# Altium PCB PCB_SingleLedRow.PcbDoc (part 1 of 2) (continued)
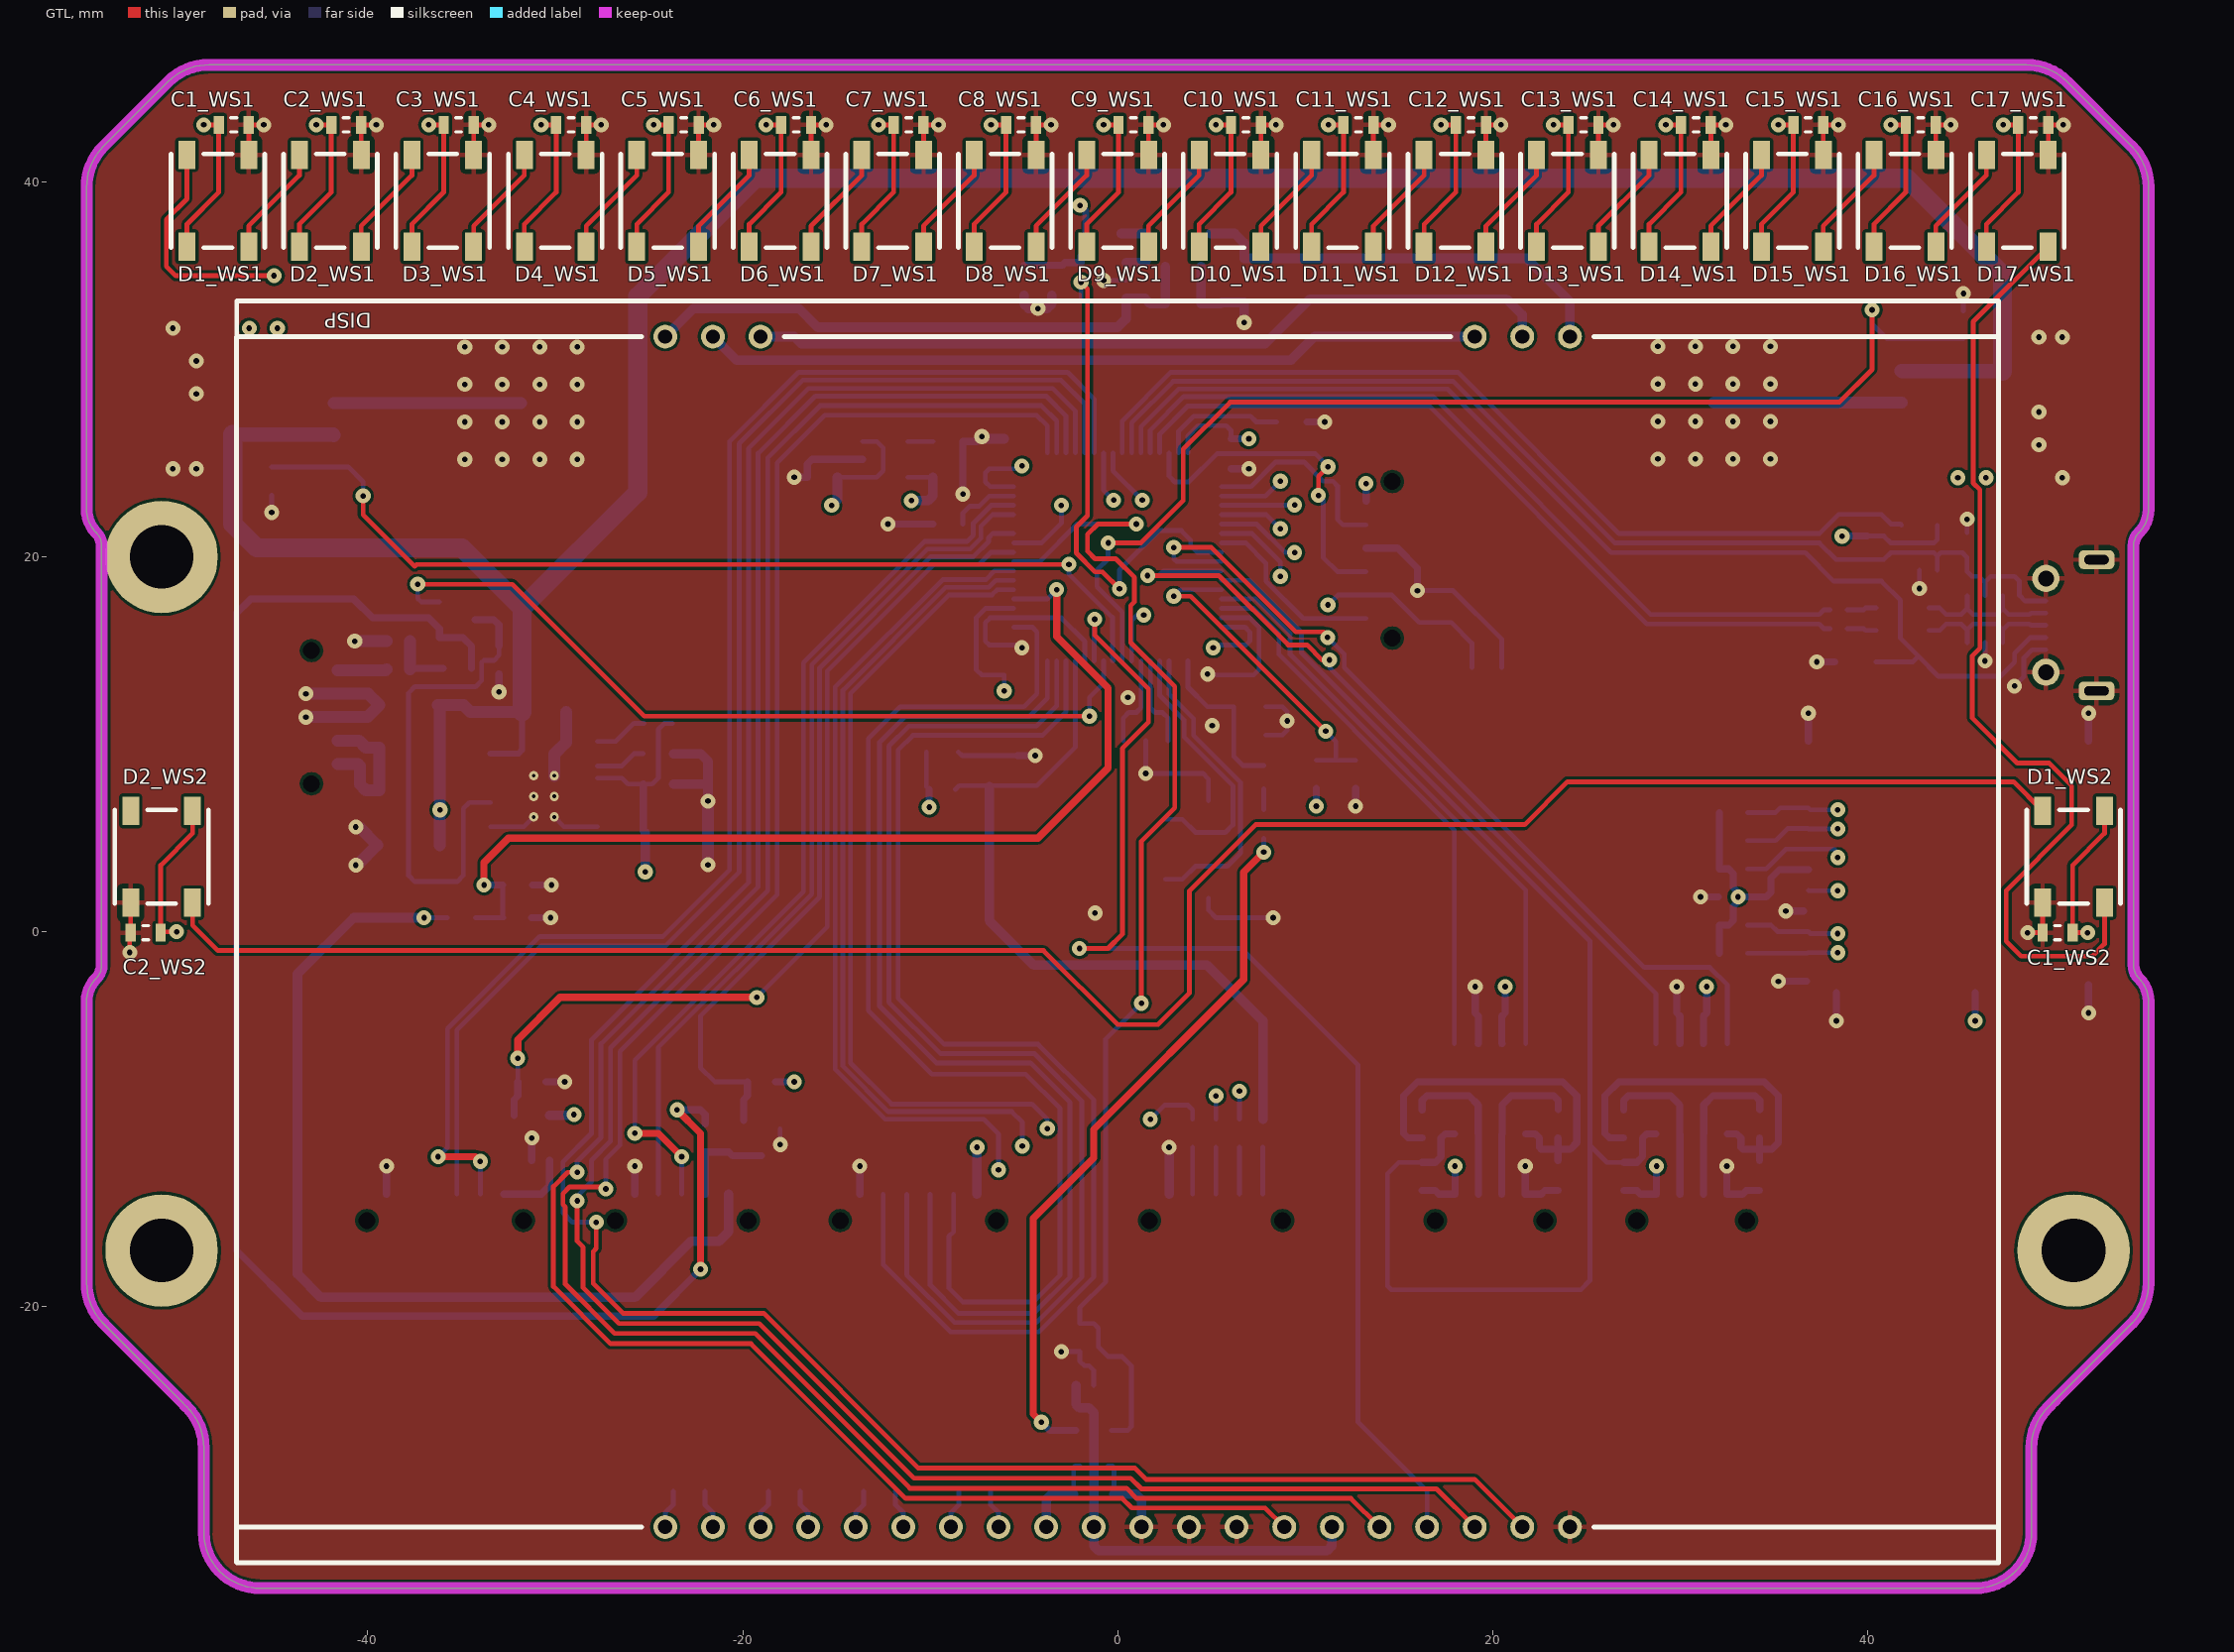
[diagram p0: GTL view]
## Board outline (continued)

## Design rules (kind name [scope] priority, off if disabled: settings)
Clearance [All] p1: gap=0.152 ignorepadtopadclearanceinfootprint=FALSE
DiffPairsRouting [All] p1: maxlimit=0.254 minlimit=0.254 mostfreqgap=0.254 toplayer_minwidth=0.254 toplayer_maxwidth=0.381 toplayer_prefwidth=0.381 midlayer1_minwidth=0.254 midlayer1_maxwidth=0.381 midlayer1_prefwidth=0.381 bottomlayer_minwidth=0.254 bottomlayer_maxwidth=0.381 bottomlayer_prefwidth=0.381 maxuncoupledlength=12.7
HoleSize [All] p1: absolutevalues=TRUE maxlimit=6.3 minlimit=0.3 maxpercent=80.000 minpercent=20.000
PlaneClearance [All] p1: clearance=0.508
PlaneConnect [All] p1: planeconnectstyle=Relief reliefexpansion=0.508 reliefentries=4 reliefconductorwidth=0.254 reliefairgap=0.254
PolygonConnect PolygonConnect_VIA [IsPolygon vs IsVia] p1: connectstyle=Direct reliefconductorwidth=0.254 reliefentries=4 polygonreliefangle="90 Angle" airgapwidth=0.254
PolygonConnect [All] p2: connectstyle=Relief reliefconductorwidth=0.254 reliefentries=4 polygonreliefangle="90 Angle" airgapwidth=0.254
RoutingVias [All] p1: holewidth=0.3 width=0.8 viastyle="Through Hole" minholewidth=0.3 minwidth=0.6 maxholewidth=6.3 maxwidth=6.6
SolderMaskExpansion [All] p1: expansion=0.102
Width [All] p1: maxlimit=1.27 minlimit=0.152 preferedwidth=0.254 minimp=50.000000 maximp=50.000000 favimp=50.000000
26 further rules are at their usual default settings.

## Classes and differential pairs
component class U_Microcontroller: Analog C23 C24 C25 C26 C27 C28 C29 C30 C31 C32 C33 C34 C35 C36 C37 C38 C50 CMC1 D17 D18 D19 ISP L2 Q1 R4 R5 R6 R7 R8 R9 R10 R11 R12 R13 R14 R30 R31 R32 R33 R34 R35 U2 USB X1 X2 µSD
component class U_Display: C16 C17 C18 C19 C20 C21 C22 C39 D16 DISP L1 Q4 R1 R2 R3 R29 U1
component class WS2: C1_WS2 C2_WS2 D1_WS2 D2_WS2
component class WS1: C1_WS1 C2_WS1 C3_WS1 C4_WS1 C5_WS1 C6_WS1 C7_WS1 C8_WS1 C9_WS1 C10_WS1 C11_WS1 C12_WS1 C13_WS1 C14_WS1 C15_WS1 C16_WS1 C17_WS1 D1_WS1 D2_WS1 D3_WS1 D4_WS1 D5_WS1 D6_WS1 D7_WS1 D8_WS1 D9_WS1 D10_WS1 D11_WS1 D12_WS1 D13_WS1 D14_WS1 D15_WS1 D16_WS1 D17_WS1
channel class WS2812B: WS1 WS2 WS3
component class U_CAN: C46 C47 C48 C49 CAN1 CAN2 IC1 IC2 R17 R18 R19 R20 R21 R22
component class U_GPS: GPS Q2 R23
component class U_Power: C40 C41 C42 C43 C44 C45 C51 C52 C53 C54 C55 C56 C57 C58 D20 D21 D22 D23 D24 D25 P_IN R15 R16 R26 R27 R28 U3 U4 U5 U6
component class U_Telemetry: RF-868P_LR
component class U_RDAC: Q3 R24 R25 RaceDAC
differential pair USB_D1: +USB_D1_P -USB_D1_N
differential pair USB_D2: +USB_D2_P -USB_D2_N
differential pair USB_D: +USB_D_P -USB_D_N

## Components (designator, comment, footprint, x,y, rotation, side; value= is the part's Value field where it differs from the comment)
Analog "DF13-5P-1.25H(20)" DF13-5P-1.25H(20) 5.25,-14 r0 bottom
C1_WS1 "100nF" C0603H08_M -47.15,43.05 r180 top (schematic designator C1)
C1_WS2 "100nF" C0603H08_M 50.15,-0.05 r0 top (schematic designator C1)
C2_WS1 "100nF" C0603H08_M -41.15,43.05 r180 top (schematic designator C2)
C2_WS2 "100nF" C0603H08_M -51.85,-0.05 r0 top (schematic designator C2)
C3_WS1 "100nF" C0603H08_M -35.15,43.05 r180 top (schematic designator C3)
C4_WS1 "100nF" C0603H08_M -29.15,43.05 r180 top (schematic designator C4)
C5_WS1 "100nF" C0603H08_M -23.15,43.05 r180 top (schematic designator C5)
C6_WS1 "100nF" C0603H08_M -17.15,43.05 r180 top (schematic designator C6)
C7_WS1 "100nF" C0603H08_M -11.15,43.05 r180 top (schematic designator C7)
C8_WS1 "100nF" C0603H08_M -5.15,43.05 r180 top (schematic designator C8)
C9_WS1 "100nF" C0603H08_M 0.85,43.05 r180 top (schematic designator C9)
C10_WS1 "100nF" C0603H08_M 6.85,43.05 r180 top (schematic designator C10)
C11_WS1 "100nF" C0603H08_M 12.85,43.05 r180 top (schematic designator C11)
C12_WS1 "100nF" C0603H08_M 18.85,43.05 r180 top (schematic designator C12)
C13_WS1 "100nF" C0603H08_M 24.85,43.05 r180 top (schematic designator C13)
C14_WS1 "100nF" C0603H08_M 30.85,43.05 r180 top (schematic designator C14)
C15_WS1 "100nF" C0603H08_M 36.85,43.05 r180 top (schematic designator C15)
C16 "220nF" C0805H085_L 6.75,34.75 r90 bottom
C16_WS1 "100nF" C0603H08_M 42.85,43.05 r180 top (schematic designator C16)
C17 "100nF" C0603H08_M -3.5,34.75 r270 bottom
C17_WS1 "100nF" C0603H08_M 48.85,43.05 r180 top (schematic designator C17)
C18 "1µF" C0603H08_M -5,34.75 r270 bottom
C19 "4.7µF" C0603H08_L -22.86,-29.845 r180 bottom
C20 "4.7µF" C0603H08_L -17.78,-29.845 r180 bottom
C21 "4.7µF" C0603H08_L -12.7,-29.845 r180 bottom
C22 "4.7µF" C0603H08_L -7.62,-29.845 r180 bottom
C23 "6pF" C0603H08_L 4.85,2.65 r90 bottom
C24 "6pF" C0603H08_L 4.85,6.15 r90 bottom
C25 "2.2µF" C0603H08_M 9.3,27.2 r0 bottom
C26 "2.2µF" C0603H08_M -9.05,21.75 r180 bottom
C27 "100nF" C0603H08_M 19.7,14.1 r0 bottom
C28 "4.7µF" C0603H08_L -9.35,9.6 r0 bottom
C29 "4.7µF" C0603H08_L -6.85,8.6 r90 bottom
C30 "4.7µF" C0603H08_L 7.05,10.5 r0 bottom
C31 "100nF" C0603H08_M -5.35,8.6 r90 bottom
C32 "4.7µF" C0603H08_L 7.05,12 r0 bottom
C33 "100nF" C0603H08_M -6.05,14.5 r90 bottom
C34 "100nF" C0603H08_M 6.05,14.5 r270 bottom
C35 "100nF" C0603H08_M -6.05,25.5 r90 bottom
C36 "100nF" C0603H08_M 6.05,25.5 r270 bottom
C37 "2.2µF" C0603H08_M 45.319,20.485 r270 bottom
C38 "100nF" C0603H08_M 32.85,1.86 r180 bottom
C39 "TO BE DEFINED!" C0805H06_M -1.27,-30 r0 bottom
C40 "10µF 16V Tantal" C1206H08_M 48.6,29.9 r0 bottom
C41 "10µF 16V Tantal" C1206H08_M -48.6,26.525 r180 bottom
C42 "100µF" C1210_TANTAL_M 48.6,27 r0 bottom
C43 "100µF" C1210_TANTAL_M -48.6,29.425 r180 bottom
C44 "10µF" C0603H08_L 48.6,24.2 r0 bottom
C45 "10µF" C0603H08_L -48.6,32.225 r180 bottom
C46 "100nF" C0603H08_M 19.875,-3.875 r0 bottom
C47 "100nF" C0603H08_M 30.625,-3.875 r0 bottom
C48 "100nF" C0603H08_M 23.5,-13 r270 bottom
C49 "100nF" C0603H08_M 34.25,-13 r270 bottom
C50 "100nF" C0603H08_M -32,2.5 r0 bottom
C51 "47µF" C1210_TANTAL_M -37.825,4.625 r180 bottom
C52 "220nF" C0805H085_L -30.6,11.725 r180 bottom
C53 "100nF" C0603H08_M -24.5,9.5 r180 bottom
C54 "22µF" C1210H125_M -23.525,5.275 r0 bottom
C55 "100nF" C0603H08_M -24.5,7.875 r180 bottom
C56 "2.2µF" C0603H08_M -9.05,24.25 r180 bottom
C57 "10nF" C0603H08_M -9.05,26.15 r0 bottom
C58 "2.2µF" C0603H08_M -15.75,24.25 r0 bottom
CAN1 "DF13-4P-1.25H(20)" DF13-4P-1.25H(20) 19.25,-14 r0 bottom
CAN2 "DF13-4P-1.25H(20)" DF13-4P-1.25H(20) 30,-14 r0 bottom
CMC1 "WURTH ELEKTRONIK - 744232090 - SIGNALFILTER, SMD, 90OHM, 370MA" "Murata 1206 CMC" 43.275,17.275 r180 bottom
D1_WS1 "WS2812B" WS2812B -48,39 r90 top (schematic designator D1)
D1_WS2 "WS2812B" WS2812B 51,4 r270 top (schematic designator D1)
D2_WS1 "WS2812B" WS2812B -42,39 r90 top (schematic designator D2)
D2_WS2 "WS2812B" WS2812B -51,4 r270 top (schematic designator D2)
D3_WS1 "WS2812B" WS2812B -36,39 r90 top (schematic designator D3)
D4_WS1 "WS2812B" WS2812B -30,39 r90 top (schematic designator D4)
D5_WS1 "WS2812B" WS2812B -24,39 r90 top (schematic designator D5)
D6_WS1 "WS2812B" WS2812B -18,39 r90 top (schematic designator D6)
D7_WS1 "WS2812B" WS2812B -12,39 r90 top (schematic designator D7)
D8_WS1 "WS2812B" WS2812B -6,39 r90 top (schematic designator D8)
D9_WS1 "WS2812B" WS2812B 0,39 r90 top (schematic designator D9)
D10_WS1 "WS2812B" WS2812B 6,39 r90 top (schematic designator D10)
D11_WS1 "WS2812B" WS2812B 12,39 r90 top (schematic designator D11)
D12_WS1 "WS2812B" WS2812B 18,39 r90 top (schematic designator D12)
D13_WS1 "WS2812B" WS2812B 24,39 r90 top (schematic designator D13)
D14_WS1 "WS2812B" WS2812B 30,39 r90 top (schematic designator D14)
D15_WS1 "WS2812B" WS2812B 36,39 r90 top (schematic designator D15)
D16 "LS MBR0540" SOD123_H 3.25,37.25 r180 bottom
D16_WS1 "WS2812B" WS2812B 42,39 r90 top (schematic designator D16)
D17 "LS CD0603" "CD 0603" 7.8,8.25 r90 bottom
D17_WS1 "WS2812B" WS2812B 48,39 r90 top (schematic designator D17)
D18 "WURTH ELEKTRONIK - 824015 - DIODENARRAY, TVS" SOT95P255X116-6N 46.275,16.675 r90 bottom
D19 "LS CD0603" "CD 0603" 39.985,20.485 r270 bottom
D20 "LS PMEG6020ER" SOD-123W -37.825,7.55 r180 bottom
D21 "LS PMEG6020ER" SOD-123W -37.825,9.825 r180 bottom
D22 "LS CD0603" "CD 0603" -38.375,14 r0 bottom
D23 "LS PMEG6020ER" SOD-123W -37.825,12.1 r180 bottom
D24 "LS CD0603" "CD 0603" -38.375,15.5 r0 bottom
D25 "Diode Array BAT_54C" SOT95P245X110-3N -35.225,16.65 r0 bottom
DISP "EA DOGXL240-7" "DOGXL240*-7 + LED" 0,0 r180 top
GPS "DF13-6P-1.25H(20)" DF13-6P-1.25H(20) -35.25,-14 r0 bottom
IC1 "CAN Transceiver SN65HVD1040A" SOIC127P600X175-8N 19.875,-8.375 r270 bottom
IC2 "CAN Transceiver SN65HVD1040A" SOIC127P600X175-8N 30.625,-8.375 r270 bottom
ISP "DF13-6P-1.25H(20)" DF13-6P-1.25H(20) 13.255,20.465 r90 bottom
L1 ".Resistor" R0805H05_M -0.75,37.25 r180 bottom
L2 "742792515" R0603H05_L -9.35,7.6 r0 bottom
P_IN "DF13-5P-1.25H(20)" DF13-5P-1.25H(20) -41.6,11.45 r270 bottom
Q1 "Enhanced single channel power switches" SOT-23-5 42.779,20.485 r90 bottom
Q2 "Enhanced single channel power switches" SOT-23-5 -31.25,-11 r90 bottom
Q3 "2N7002" SOT95P245X110-3N -19,-11 r270 bottom
Q4 "Enhanced single channel power switches" SOT-23-5 -1.27,-25.4 r270 bottom
R1 ".Resistor" R0603H05_M -2.02,-21.65 r90 bottom
R2 ".Resistor" R0805H05_M 3.5,33.5 r180 bottom
R3 ".Resistor" R0805H05_M 3.5,35.5 r180 bottom
R4 ".Resistor" R0603H05_M 12.7,8.4 r90 bottom
R5 ".Resistor" R0603H05_M 10.6,8.4 r270 bottom
R6 ".Resistor" R0603H05_M 7.8,5.75 r90 bottom
R7 "Varistor 0805 4V WE 82550040" "Varistor 0805" 39.35,14.4 r180 bottom
R8 ".Resistor" R0603H05_M 32.85,6.36 r0 bottom
R9 ".Resistor" R0603H05_M 32.85,4.86 r0 bottom
R10 ".Resistor" R0603H05_M 32.85,3.36 r0 bottom
R11 ".Resistor" R0603H05_M 32.85,0.36 r0 bottom
R12 ".Resistor" R0603H05_M 32.85,-1.14 r0 bottom
R13 "22R" R0402H04_M 38.461,17.183 r180 bottom
R14 "22R" R0402H04_M 38.461,16.167 r180 bottom
R15 "1k" R0603H05_M 45.125,32.375 r270 bottom
R16 "1k" R0603H05_M -45.125,24.05 r90 bottom
R17 ".Resistor" R0603H05_M 23.5,-10.25 r270 bottom
R18 ".Resistor" R0603H05_M 34.25,-10.25 r270 bottom
R19 ".Resistor" R0603H05_M 16.25,-10.25 r270 bottom
R20 ".Resistor" R0603H05_M 27,-10.25 r270 bottom
R21 ".Resistor" R0603H05_M 16.25,-13.05 r270 bottom
R22 ".Resistor" R0603H05_M 27,-13.05 r270 bottom
R23 "1k" R0603H05_M -31.25,-8 r0 bottom
R24 ".Resistor" R0603H05_M -22,-11 r270 bottom
R25 ".Resistor" R0603H05_M -19,-8 r180 bottom
R26 ".Resistor" R0603H05_M -35.225,14.05 r0 bottom
R27 "10k" R0603H05_M -33,14.5 r90 bottom
R28 "10k" R0603H05_M -24.5,11.125 r0 bottom
R29 ".Resistor" R0603H05_M -1.27,-28.5 r0 bottom
R30 ".Resistor" R0603H05_M -35,0.75 r180 bottom
R31 ".Resistor" R0603H05_M -32,0.75 r180 bottom
R32 ".Resistor" R0603H05_M 7.75,-10.75 r90 bottom
R33 ".Resistor" R0603H05_M 6.5,-10.75 r90 bottom
R34 ".Resistor" R0603H05_M 5.25,-10.75 r90 bottom
R35 ".Resistor" R0603H05_M 4,-10.75 r90 bottom
RaceDAC "DF13-5P-1.25H(20)" DF13-5P-1.25H(20) -23.25,-14 r0 bottom
RF-868P_LR "DF13-6P-1.25H(20)" DF13-6P-1.25H(20) -10,-14 r0 bottom
U1 "CAT4238" SOT-23-5 -0.75,34.75 r180 bottom
U2 "STM32F405RGT6" STM-LQFP64_N 0,20 r90 bottom locked
U3 "MIC29151-5.0" "5-Pin TO-263" 35.575,28.225 r180 bottom
U4 "MIC29151-5.0" "5-Pin TO-263" -35.575,28.2 r0 bottom
U5 "TPS7B6750" TSOP65P640X120_HS-21N -30.6,7.225 r180 bottom
U6 "LDO TPS799xx Ultra Low Noise, HIGH PSRR, 200mA" SOT-23-5 -12.4,25.2 r0 bottom
USB "Molex Micro USB B" "Micro USB Molex" 52.225,19.85 r270 bottom
X1 "ABRACON - ABS25-32.768KHZ-6-1-T - QUARZ, 32.768KHZ, 6PF, SMD" "Abracon ABS25 Series Crystal" -0.2,4.4 r180 bottom value=32.768khz
X2 "8MHz, 33pF" CSTCE_G15 1.5,10.2 r0 bottom value=8Mhz
µSD "Micro SD Connector" "Micro SD Connector 502774" 36.85,-2.29 r90 bottom locked

## Footprints (in the part's own frame and the unit in brackets; to place one, negate y for a bottom-side part, rotate by r counter-clockwise, add the part's x,y. Pads: shape width x height; smd on the part's side, far side on the other; paste and mask are expansions set on the pad)
"5-Pin TO-263" [mm] "D2-PAK, 6-Pads, Body 7,68x8,69mm (max), IPC Medium Density"
  rect 4.15x1 smd: 1(-6.25,3.4) 2(-6.25,1.7) 3(-6.25,0) 4(-6.25,-1.7) 5(-6.25,-3.4)
  rect 9.1x10.05 smd: 6(3.75,0)
  silkscreen extent -6.38,-5.35 -1.2,5.35, body extent -6.9,-5.08 7.11,5.08, height 4.56
"Abracon ABS25 Series Crystal" [mm]
  rect 1.3x1.9 smd: 1(-2.75,-1.6) 2(2.75,-1.6) 3(2.75,1.6) 4(-2.75,1.6)
  silkscreen extent -4.2,-2.2 4.2,2.2, body extent -4,-2 4,2, height 2.7
C0603H08_L [mm] "Chip Capacitor, 2-Leads, Body 1,60x0,80mm, IPC Low Density"
  rect 0.65x1.05 smd: 1(-0.85,0) 2(0.85,0)
  silkscreen extent -0.15,-0.43 0.15,0.43, body extent -0.85,-0.45 0.85,0.45, height 0.8
C0603H08_M [mm] "Chip Capacitor, 2-Leads, Body 1,60x0,80mm, IPC Medium Density"
  rect 0.55x0.95 smd: 1(-0.8,0) 2(0.8,0)
  silkscreen extent -0.15,-0.38 0.15,0.38, body extent -0.85,-0.45 0.85,0.45, height 0.8
C0805H06_M [mm] "Chip Capacitor, 2-Leads, Body 2,00x1,25mm, IPC Medium Density"
  rect 0.75x1.45 smd: 1(-1.075,0) 2(1.075,0)
  silkscreen extent -0.3,-0.63 0.3,0.63, body extent -1.1,-0.72 1.1,0.72, height 0.6
C0805H085_L [mm] "Chip Capacitor, 2-Leads, Body 2,00x1,25mm, IPC Low Density"
  rect 0.95x1.55 smd: 1(-1.175,0) 2(1.175,0)
  silkscreen extent -0.3,-0.67 0.3,0.67, body extent -1.1,-0.72 1.1,0.72, height 0.85
C1206H08_M [mm] "Chip Capacitor, 2-Leads, Body 3,20x1,60mm, IPC Medium Density"
  rect 1.3x1.8 smd: 1(-1.4,0) 2(1.4,0)
  silkscreen extent -0.35,-0.8 0.35,0.8, body extent -1.7,-0.9 1.7,0.9, height 0.8
C1210_TANTAL_M [mm] "Tantal Capacitor, 2-Leads, Body 3,20x2,50mm, IPC Medium Density"
  rect 0.95x2.8 smd: 1(-1.675,0) 2(1.675,0)
  silkscreen extent -2,-1.3 0.8,2.25, body extent -1.85,-1.46 1.85,1.47, height 2.03
C1210H125_M [mm] "Chip Capacitor, 2-Leads, Body 3,20x2,50mm, IPC Medium Density"
  rect 0.95x2.8 smd: 1(-1.675,0) 2(1.675,0)
  silkscreen extent -0.8,-1.3 0.8,1.3, body extent -1.8,-1.4 1.8,1.4, height 1.25
"CD 0603" [mm]
  rect 1x1 smd: 1(-0.625,0) 2(0.625,0)
  body extent -0.9,-0.5 0.9,0.5, height 0.85
CSTCE_G15 [mm]
  rect 0.4x2.1 smd: 1(-1.2,0) 2(0,0) 3(1.2,0)
  silkscreen extent -1.6,-0.72 1.6,0.72, body extent -1.6,-0.65 1.6,0.65, height 0.7
DF13-4P-1.25H(20) [mm] "SMT Type Right Angle"
  rect 0.7x1.8 smd: 1(2.5,0) 2(1.25,0) 3(0,0) 4(-1.25,0)
  rect 1.6x2.2 smd: ""(-3.45,3.3) ""(4.7,3.3)
  round 0 hole 0.9 unplated: ""(-2.3,1.4) ""(3.55,1.4)
  body extent -4.2,-0.5 5.45,6, height 3.58
DF13-5P-1.25H(20) [mm] "SMT Type Right Angle"
  rect 0.7x1.8 smd: 1(2.5,0) 2(1.25,0) 3(0,0) 4(-1.25,0) 5(-2.5,0)
  rect 1.6x2.2 smd: ""(-4.7,3.3) ""(4.7,3.3)
  round 0 hole 0.9 unplated: ""(-3.55,1.4) ""(3.55,1.4)
  body extent -5.45,-0.5 5.45,6, height 3.58
DF13-6P-1.25H(20) [mm] "SMT Type Right Angle"
  rect 0.7x1.8 smd: 1(2.5,0) 2(1.25,0) 3(0,0) 4(-1.25,0) 5(-2.5,0) 6(-3.75,0)
  rect 1.6x2.2 smd: ""(-5.95,3.3) ""(4.7,3.3)
  round 0 hole 0.9 unplated: ""(-4.8,1.4) ""(3.55,1.4)
  body extent -6.7,-0.5 5.45,6, height 3.58
"DOGXL240*-7 + LED" [mil] "incl. LED-Beleuchtung ohne Tuch"
  round 50 hole 30: 1(-950,-1250) 2(-850,-1250) 3(-750,-1250) 18(750,-1250) 19(850,-1250) 20(950,-1250) 21(950,1250) 22(850,1250) 23(750,1250) 24(650,1250) 25(550,1250) 26(450,1250) 27(350,1250) 28(250,1250) 29(150,1250) 30(50,1250) 31(-50,1250) 32(-150,1250) 33(-250,1250) 34(-350,1250) 35(-450,1250) 36(-550,1250) 37(-650,1250) 38(-750,1250) 39(-850,1250) 40(-950,1250)
  silkscreen extent -1850,-1325 1850,1325, body extent -1850,-1260 1850,1260, height 252
"Micro SD Connector 502774" [mm]
  rect 0.8x1.5 smd: 1(8.9,0) 2(7.8,0) 3(6.7,0) 4(5.6,0) 5(4.5,0) 6(3.4,0) 7(2.3,0) 8(1.2,0)
  rect 1.29x1.3 smd: 9(-0.96,1.5) 10(-0.96,8.9)
  rect 1.5x1.7 smd: 11(-0.54,14.95) 11(12.45,14.95)
  rect 1.6x1.3 smd: 11(-0.35,-0.1)
  rect 1.7x1.5 smd: 11(12.45,0)
  silkscreen extent -1,2.45 11.42,20.15, body extent -1.15,-0.6 13.15,17.45, height 1.78
"Micro USB Molex" [mm]
  rect 0.4x1.35 smd: 1(2.2,2.7) 2(2.85,2.7) 3(3.5,2.7) 4(4.15,2.7) 5(4.8,2.7)
  rrect50% 1x1.9 hole 0.5 slot 1.3 at 90 deg: 6(0,0) 6(7,0)
  rect 1x1.9 smd: 6(0.625,0) 6(6.375,0)
  round 1.45 hole 0.85: 6(1,2.7) 6(6,2.7)
  silkscreen extent -0.87,-2.02 7.9,2.8, body extent -0.6,-2.65 7.6,2.78, height 2.68
"Murata 1206 CMC" [mm]
  rect 0.9x0.9 smd: 1(0,0) 2(2.8,0) 3(2.8,-1.2) 4(0,-1.2)
  silkscreen extent 0.7,-1.5 2.1,0.2, body extent -0.2,-1.41 3,0.21, height 1.94
R0402H04_M [mm] "Chip Resistor, 2-Leads, Body 1,00x0,50mm, IPC Medium Density"
  rect 0.4x0.6 smd: 1(-0.45,0) 2(0.45,0)
  body extent -0.52,-0.28 0.53,0.27, height 0.4
R0603H05_L [mm] "Chip Resistor, 2-Leads, Body 1,57x0,85mm, IPC Low Density"
  rect 0.9x1.05 smd: 1(-0.7,0) 2(0.7,0)
  body extent -0.82,-0.48 0.82,0.47, height 0.5
R0603H05_M [mm] "Chip Resistor, 2-Leads, Body 1,57x0,85mm, IPC Medium Density"
  rect 0.5x0.95 smd: 1(-0.75,0) 2(0.75,0)
  body extent -0.82,-0.48 0.83,0.47, height 0.5
R0805H05_M [mm] "Chip Resistor, 2-Leads, Body 2,05x1,25mm, IPC Medium Density"
  rect 0.7x1.4 smd: 1(-0.95,0) 2(0.95,0)
  silkscreen extent -0.05,-0.55 0.05,0.55, body extent -1.1,-0.7 1.1,0.7, height 0.5
SOD123_H [mm] "SOD, 2-Leads, Body 1,60x3,75mm, IPC High Density"
  rect 0.8x0.65 smd: 1(-1.7,0) 2(1.7,0)
  silkscreen extent -2.05,-0.9 1.45,0.9, body extent -1.85,-0.8 1.85,0.8, height 1.25
SOD-123W [mm] "SODFL, 2-Leads, Body 1,70x3,50mm, IPC Medium Density"
  rect 1x1.1 smd: 1(-1.55,0) 2(1.55,0)
  silkscreen extent -2,0.8 -1.9,0.9, body extent -1.85,-0.8 1.85,0.8, height 1.25
SOIC127P600X175-8N [mm] "SOIC, 8-Leads, Body 4,90x3,90mm, Pitch 1,27mm, IPC Medium Density"
  rect 2.2x0.6 smd: 1(-2.4,1.905) 2(-2.4,0.635) 3(-2.4,-0.635) 4(-2.4,-1.905) 5(2.4,-1.905) 6(2.4,-0.635) 7(2.4,0.635) 8(2.4,1.905)
  silkscreen extent -2.52,-2.5 0.9,2.88, body extent -3,-2.45 3,2.45, height 1.75
SOT95P245X110-3N [mm] "SOT23, 3-Leads, Body 2,95x2,45mm, Pitch 0,95mm, IPC Medium Density"
  rect 1.5x0.55 smd: 1(-0.95,0.95) 2(-0.95,-0.95) 3(0.95,0)
  silkscreen extent -1.07,-1.55 0.7,1.9, body extent -1.4,-1.45 1.4,1.45, height 1.3
SOT95P255X116-6N [mm] "SOT23, 6-Leads, Body 2,90x2,55mm, Pitch 0,95mm, IPC Medium Density"
  rect 1.1x0.6 smd: 1(-1.25,0.95) 2(-1.25,0) 3(-1.25,-0.95) 4(1.25,-0.95) 5(1.25,0) 6(1.25,0.95)
  silkscreen extent -1.37,-1.5 0.5,1.93, body extent -1.4,-1.45 1.4,1.45, height 1.45
SOT-23-5 [mm] "SOT23, 5-Leads, Body 2,90x2,80mm, Pitch 0,95mm, IPC Medium Density"
  rect 1.05x0.6 smd: 1(-1.2,0.95) 2(-1.2,0) 3(-1.2,-0.95) 4(1.2,-0.95) 5(1.2,0.95)
  silkscreen extent -1.32,-1.55 0.3,1.93, body extent -1.25,-1.5 1.25,1.5, height 1.06
STM-LQFP64_N [mm] "Thin QFP, 64-Leads, Body 10x10mm, Pitch 0.5mm, IPC Medium Density"
  oval 1.8x0.3 smd: 1(-5.55,3.75) 2(-5.55,3.25) 3(-5.55,2.75) 4(-5.55,2.25) 5(-5.55,1.75) 6(-5.55,1.25) 7(-5.55,0.75) 8(-5.55,0.25) 9(-5.55,-0.25) 10(-5.55,-0.75) 11(-5.55,-1.25) 12(-5.55,-1.75) 13(-5.55,-2.25) 14(-5.55,-2.75) 15(-5.55,-3.25) 16(-5.55,-3.75) 33(5.55,-3.75) 34(5.55,-3.25) 35(5.55,-2.75) 36(5.55,-2.25) 37(5.55,-1.75) 38(5.55,-1.25) 39(5.55,-0.75) 40(5.55,-0.25) 41(5.55,0.25) 42(5.55,0.75) 43(5.55,1.25) 44(5.55,1.75) 45(5.55,2.25) 46(5.55,2.75) 47(5.55,3.25) 48(5.55,3.75)
  oval 0.3x1.8 smd: 17(-3.75,-5.55) 18(-3.25,-5.55) 19(-2.75,-5.55) 20(-2.25,-5.55) 21(-1.75,-5.55) 22(-1.25,-5.55) 23(-0.75,-5.55) 24(-0.25,-5.55) 25(0.25,-5.55) 26(0.75,-5.55) 27(1.25,-5.55) 28(1.75,-5.55) 29(2.25,-5.55) 30(2.75,-5.55) 31(3.25,-5.55) 32(3.75,-5.55) 49(3.75,5.55) 50(3.25,5.55) 51(2.75,5.55) 52(2.25,5.55) 53(1.75,5.55) 54(1.25,5.55) 55(0.75,5.55) 56(0.25,5.55) 57(-0.25,5.55) 58(-0.75,5.55) 59(-1.25,5.55) 60(-1.75,5.55) 61(-2.25,5.55) 62(-2.75,5.55) 63(-3.25,5.55) 64(-3.75,5.55)
  silkscreen extent -5.67,-4.25 4.25,4.58, body extent -6,-6 6,6, height 1.5
TSOP65P640X120_HS-21N [mm] "TSOP, 20-Leads, Body 6,50x4,40mm, Pitch 0,65mm, Thermal Pad 3,40.2x2,40.2mm, IPC Medium Density"
  oval 1.7x0.35 smd: 1(-2.85,2.925) 2(-2.85,2.275) 3(-2.85,1.625) 4(-2.85,0.975) 5(-2.85,0.325) 6(-2.85,-0.325) 7(-2.85,-0.975) 8(-2.85,-1.625) 9(-2.85,-2.275) 10(-2.85,-2.925) 11(2.85,-2.925) 12(2.85,-2.275) 13(2.85,-1.625) 14(2.85,-0.975) 15(2.85,-0.325) 16(2.85,0.325) 17(2.85,0.975) 18(2.85,1.625) 19(2.85,2.275) 20(2.85,2.925)
  rect 2.4x3.4 smd: 21(0,0)
  silkscreen extent -2.98,-3.3 1.6,3.77, body extent -3.27,-3.3 3.28,3.3, height 1.2
"Varistor 0805" [mm]
  rect 0.75x1.3 smd: 1(-1.1,0) 2(1.1,0)
  silkscreen extent -0.35,-0.55 0.35,0.55, body extent -1,-0.62 1,0.63
WS2812B [mm]
  rect 1.5x0.9 smd: 1(-2.45,1.65) 2(-2.45,-1.65) 3(2.45,-1.65) 4(2.45,1.65)
  silkscreen extent -2.5,-2.5 2.5,2.5, body extent -2.7,-2.5 2.7,2.5, height 1.7

## Part data
Analog P_IN RaceDAC: library part "Hirose DF13-5P-1.25H(20)", "Hirose DF13-5P-1.25H(20)", Circuits=5, Connector Orientation="Right Angle", Model=DF13-5P-1.25H(20), Mounting Style=SMT
C1_WS1 C1_WS2 C2_WS1 C2_WS2 C3_WS1 C4_WS1 C5_WS1 C6_WS1 C7_WS1 C8_WS1 C9_WS1 C10_WS1 C11_WS1 C12_WS1 C13_WS1 C14_WS1 C15_WS1 C16_WS1 C17 C17_WS1 C27 C31 C33 C34 C35 C36 C38 C46 C47 C48 C49 C50 C53 C55: library part "C 100nF 100V 0603 MLCC X7R", "C 100nF 100V 0603 MLCC X7R", Temperature Coeffizient="0ppm/°C +- 30ppm/°C", Temperature Range="-55°C to +125°C", Tolerance=+-10%, Voltage Rating=100V, Form="0603 [M 1608]", Price=0.044, Series=X7R
C16 C52: library part "C 220nF 50V 0805 MLCC  Y5V", "C 220nF 50V 0805 MLCC  Y5V", Temperature Range="-30°C to +85°C", Tolerance="+80%, -20%", Voltage Rating=50V, Farnell Order Number=1759269, Form="0805 [M 2012]", Price=0.0252, Series=V5Y
C18: library part "C 1µF 6.3V 0603 MLCC X7R", "C 1µF 6.3V 0603 MLCC X7R", Temperature Coeffizient=N/A, Temperature Range="-55°C to +125°C", Tolerance=+-10%, Voltage Rating=6.3V, Farnell=http://de.farnell.com/kemet/c0603c105k9ractu/kondensator-x7r-0603-6-3v-1uf/dp/1865556, Farnell Order Number=1865556, Form="0603 [M 1608]", Price=0.028, Series=X7R
C19 C20 C21 C22 C28 C29 C30 C32: library part "C 4.7µF 6.3V 0603 MLCC X5R", "C 4.7µF 6.3V 0603 MLCC X5R", Temperature Range="-55°C to +85°C", Tolerance=+-10%, Voltage Rating=6.3V, Farnell Order Number=2496930, Form="0603 [M 1608]", Price=0.045, Series=X5R
C23 C24: library part "C 6pF 50V 0603 MLCC C0G/NP0", "C 6pF 50V 0603 MLCC C0G/NP0", Temperature Coeffizient="0ppm/°C +- 30ppm/°C", Temperature Range="-55°C to +125°C", Tolerance=+-0.5pF, Voltage Rating=50V, Farnell Order Number=1759047, Form="0603 [M 1608]", Price=0.009, Series=C0G/NP0
C25 C26 C37 C56 C58: library part "C 2.2µF 6.3V 0603 MLCC X7R", "C 2.2µF 6.3V 0603 MLCC X7R", Temperature Coeffizient=N/A, Temperature Range="-55°C to +125°C", Tolerance=+-10%, Voltage Rating=6.3V, Farnell=http://de.farnell.com/avx/06036c225kat2a/kondensator-2-2-uf-6-3v-0603-x7r/dp/1657930, Farnell Order Number=1657930, Form="0603 [M 1608]", Price=0.131, Series=X7R
C39: library part "_C 0805"
C40 C41: library part "_C 1206", mouser=581-TAJA106K016TNJ
C42 C43: library part "CPT 100µF 6.3V 1210 Tantal", "CPT 100µF 6.3V 1210 Tantal", Voltage Rating=6.3V, mouser=http://www.mouser.de/ProductDetail/AVX/TPSB107K006R0400, Mouser Order Number=581-TPSB107K006R0400
C44 C45: library part "C 10µF 6.3V 0603 MLCC X5R", "C 10µF 6.3V 0603 MLCC X5R", Temperature Coeffizient=N/A, Temperature Range="-55°C to + 85°C", Tolerance=+-20%, Voltage Rating=6.3V, Farnell=http://de.farnell.com/avx/06036d106mat2a/kondensator-0603-x5r-6-3v-10uf/dp/1833804, Farnell Order Number=1833804, Form="0603 [M 1608]", Price=0.167, Series=X5R
C51: library part "CPT 100µF 6.3V 1210 Tantal", "CPT 47µF 16V 1210 Tantal", Voltage Rating=16V, Mouser Order Number=581-TCNT476M016R0150
C54: library part "_C 1210", mouser=80-C1210C226K9RAUTO
C57: library part "_C 0603"
CAN1 CAN2: library part "Hirose DF13-4P-1.25H(20)", "Hirose DF13-4P-1.25H(20)", Circuits=4, Connector Orientation="Right Angle", Model=DF13-4P-1.25H(20), Mounting Style=SMT
CMC1: library part "USB CMC 1206 WE 744232090 Chip CommonMod Choke 1206", Farnell=http://de.farnell.com/wurth-elektronik/744232090/signalfilter-smd-90ohm-370ma/dp/1636474, Farnell Order Number=1636474, Price=0.969
D1_WS1 D1_WS2 D2_WS1 D2_WS2 D3_WS1 D4_WS1 D5_WS1 D6_WS1 D7_WS1 D8_WS1 D9_WS1 D10_WS1 D11_WS1 D12_WS1 D13_WS1 D14_WS1 D15_WS1 D16_WS1 D17_WS1: "WS2812B RGB LED"
D16: "Schottky Rectifier, 500mA, 40V"
D18: library part "USB TVS Dioden Array 824015", Farnell=http://de.farnell.com/wurth-elektronik/824015/diodenarray-tvs/dp/1748615, Farnell Order Number=1748615, Price=0.866
D20 D21 D23: "Schottky Rectifier, 2A, 60V"
DISP: "240x128"
GPS ISP RF-868P_LR: library part "Hirose DF13-6P-1.25H(20)", "Hirose DF13-6P-1.25H(20)", Circuits=6, Connector Orientation="Right Angle", Model=DF13-6P-1.25H(20), Mounting Style=SMT
IC1 IC2: "EMC-OPTIMIZED HIGH SPEED CAN TRANSCEIVER", Farnell=http://de.farnell.com/texas-instruments/sn65hvd1040aqdrq1/can-transceiver-1mbps-1dr-1rx-soic/dp/2335646, Farnell Order Number=2335646, Price=1.41
L2: library part "Ferrit Bead 0603 1000Ohm 300mA", "Ferrit Bead 0603 1000Ohm 300mA", DC Current=300mA, Value @ 100Mhz="1000 Ohm", DC=0.55Ohm, Farnell=http://de.farnell.com/fair-rite/25060310270/ferrite-perle-1000ohm-0-1-0603/dp/1463451, Farnell Order Number=1463451, Price=0.018
Q1 Q2 Q4: library part "HSS STMPS2151 High Side Switch 500mA (2151)/1000mA (2161)", Farnell=http://de.farnell.com/stmicroelectronics/stmps2161str/power-switch-1ch-1000ma-sot23-5/dp/1842615, Farnell Order Number=1842615, Price=0,651
Q3: "N-Channel Enhancement Mode Field Effect Transistor", Manufactor="Texas Instruments"
R7: "WURTH ELEKTRONIK - 82550040 - SMD VARISTOR POWER 0805 4VRMS", Farnell=http://de.farnell.com/wurth-elektronik/82550040/smd-varistor-power-0805-4vrms/dp/1636439?Ntt=1636439, Farnell Order Number=1636439, Price=0.598
R13 R14 R15 R16 R23 R27 R28: library part .Resistor
U1: library part "STU CAT4238", "High Efficiency 10 LED  Boost Converter"
U2: "ARM Cortex-M4 32-bit MCU+FPU, 210 DMIPS, 1024 kB Flash, 192 kB Internal RAM, 51 I/Os, 64-pin LQFP, -40 to 85 degC, Tray", I/Os (High Current)=51, Manufacturer=STMicroelectronics, Operating Frequency(F) (Processor speed) (MHz)=168, Supplier Part Number 1=497-11767-ND, Supply Voltage(Vcc) max (V)=3.6, Supply Voltage(Vcc) min (V)=1.8, ComponentLink1Description="Manufacturer URL", ComponentLink1URL=http://www.st.com/web/en/home.html, ComponentLink2Description=Datasheet, ComponentLink2URL=http://www.st.com/st-web-ui/static/active/en/resource/technical/document/datasheet/DM00037051.pdf, ComponentLink3Description="Package Specification", ComponentLink3URL=http://www.st.com/st-web-ui/static/active/en/resource/technical/document/datasheet/DM00037051.pdf, Core="ARM Cortex-M4", D/A Converter=2x12-bit, DatasheetVersion="Rev. 4", FLASH Size (Prog) (kB)=1024, Internal RAM Size (kB)=192, Mounting Technology="Surface Mount", PackageDescription="64-Pin Low Profile Quad Flat Package, 10 x 10 mm Body, 0.5 mm Pitch", PackageReference=LQFP64, PackageVersion="Rev. 4, 06/2013", Packing=Tray, PartNumber=STM32F405RGT6, Supplier 1=Digi-Key, Supplier 2=Farnell, Supplier 3=Newark, Supplier 4=Mouser, Supplier Part Number 2=2064363, Supplier Part Number 3=73T2329, Supplier Part Number 4=511-STM32F405RGT6
U3 U4: library part "LDO MIC29151 5V 1.5A 26VIN Enable Error Flag TO-263-5", "LDO  5V 1.5A, EN, ERR"
U5: library part "LDO TPS7B6750 5V High-Voltage 450mA Enable", "LDO  5V High-Voltage 450mA Enable"
U6: "200mA, Low Quiescent Current, Ultra-Low Noise, High PSRR  Low Dropout Linear Regulator", Farnell=http://de.farnell.com/texas-instruments/tps79933ddct/v-reg-ldo-0-2a-3-3v-79933-sot5/dp/1135403, Farnell Order Number=1135403, Price=0.707
USB: "MOLEX - 105017-0001 - MICRO USB B, BUCHSE, SMT, RWKL, 5POL", Farnell=http://de.farnell.com/molex/105017-0001/micro-usb-b-buchse-smt-rwkl-5pol/dp/2293836?Ntt=105017-0001, Farnell Order Number=2293836, Price=0.738
X1: library part "Quarz 32.768khz", Farnell=http://de.farnell.com/abracon/abs25-32-768khz-6-1-t/quarz-32-768khz-6pf-smd/dp/2101353, Farnell Order Number=2101353, Load=6pF, Price=0.741
X2: library part "Ceramic Resonator 8Mhz", "MURATA - CSTCE8M00G55Z-R0 - RESONATOR,SMD 8.0MHZ", Farnell=http://de.farnell.com/murata/cstce8m00g55z-r0/resonator-smd-8-0mhz/dp/1615352, Farnell Order Number=1615352, Price=0.338
µSD: library part "Molex MicroSD 502774", "MOLEX - 502774-0891 - BUCHSE, MICROSD, PUSH-PUSH, 1.8MM", Farnell=http://de.farnell.com/molex/502774-0891/buchse-microsd-push-push-1-8mm/dp/2064063, Farnell Order Number=2064063, Price=1.98

## Free pads (board coordinates)
  round 6 hole 3.4: 2(-51,-17) 2(-51,20) 2(51,-17)

## Via types
v1: diameter 0.8, hole 0.3, GTL to GBL, tented both sides, 222 vias
v2: diameter 0.5, hole 0.2, GTL to GBL, tented both sides, 6 vias

## Nets (pads, with @x,y where several pads share a name; then routed paths per layer and width w, separated by ;. In a path a pad name is that pad's centre, name@x,y a point inside that pad or via, vN(x,y) a via of type N, cw(c..) or ccw(c..) an arc to the next point about the centre after c; other vN are vias at no path point)
3V3: C28.1 C33.1 C34.1 C35.1 C36.1 C38.1 C56.2 ISP.1 L2.1 Q4.5 R5.2 R6.1 R8.1 R9.1 R10.1 R11.1 R12.1 R25.1 U2.19 U2.32 U2.48 U2.64 U6.5 µSD.4 | length 157.1
  GTL w0.381: v1(-4.064,-26.162) -4.5,-25.726 -4.5,-15.295 -1.27,-12.065 -1.27,-10.541 6.731,-2.54 6.731,3.181 v1(7.8,4.25)
  GL2 w0.381: v1(7,26.3) 7.5,26.8 7.5,33.25 8.5,34.25 23.75,34.25 25,35.5 25,38.75
  GL2 w0.635: v1(-17.25,-8) -17.25,3.5 -14.1,6.65 v1(-10.05,6.65) ; v1(10.6,6.7) 10.6,5.15 12,3.75 32.05,3.75 33.1,2.7 v1(33.1,1.86)
  GBL w0.254: U6.5@-11.2,24.25 C56.2@-9.85,24.25 ; C28.1@-10.2,9.6 -10.2,7.75 L2.1@-10.05,7.6 ; v1(-6.05,12.85) C33.1@-6.05,13.7 -7.25,13.7 -7.55,14 -7.55,16.75 -7.05,17.25 U2.19@-5.55,17.25 ; U2.32@-5.55,23.75 -6.8,23.75 -7.05,24 -7.05,24.5 -6.85,24.7 C35.1@-6.05,24.7 -5.25,24.7 v1(-5.1,24.85) ; U2.48@3.75,25.55 3.75,26.45 4.3,27 5.8,27 6.05,26.75 C36.1@6.05,26.3 ; v1(5.1,15.15) 5.25,15.3 C34.1@6.05,15.3 6.85,15.3 7.05,15.5 7.05,16 6.8,16.25 U2.64@5.55,16.25 ; v1(7.8,4.25) R6.1@7.8,5
  GBL w0.381: R25.1@-18.25,-8 v1(-17.25,-8) ; v1(-10.05,6.65) L2.1@-10.05,7.6 ; v1(-4.064,-26.162) -3.626,-26.6 Q4.5@-2.22,-26.6 ; C36.1@6.05,26.3 v1(7,26.3) ; v1(10.6,6.7) R5.2@10.6,7.65 ; ISP.1@13.255,22.965 v1(13.255,23.915) ; R12.1@32.1,-1.14 R11.1@32.1,0.36 32.6,0.36 32.85,0.61 32.85,1.36 v1@33.35,1.86 ; R8.1@32.1,6.36 R9.1@32.1,4.86 R10.1@32.1,3.36 32.6,3.36 32.85,3.11 32.85,2.36 v1@33.35,1.86 ; µSD.4@36.85,3.31 35.3,3.31 34.85,2.86 34.85,2.11 34.6,1.86 C38.1@33.65,1.86 v1@33.35,1.86
  GBL w0.508: v1(-11,23) -10.1,23 -9.85,23.25 C56.2@-9.85,24.25
3V3A: C29.1 C31.1 L2.2 R32.2 U2.13 | length 41.1
  GBL w0.254: L2.2@-8.65,7.6 -8.45,7.8 C31.1@-5.35,7.8 -4.3,7.8 -2.25,9.85 U2.13@-2.25,14.45
  GBL w0.508: C29.1@-6.85,7.75 -6.85,0.6 -4.472,-1.778 4.778,-1.778 7.75,-4.75 R32.2@7.75,-10
5V: C46.2 C47.2 C54.1 C55.2 C58.2 CAN1.4 CAN2.4 D19.1 IC1.3 IC2.3 Q1.5 Q2.5 R21.2 R22.2 R28.2 U5.4 U6.1 U6.3 | length 213.4
  GL2 w0.381: v1(18,-12.5) 18,-9.2 19.2,-8 20.675,-6.525 v1(20.675,-2.925) ; v1(28.75,-12.5) 28.75,-9.2 29.95,-8 31.425,-6.525 v1(31.425,-2.925)
  GL2 w1.27: v1(-29,-9.75) -29,-9.35 -25.2,-5.55 ; v1(-15.25,22.75) -23.5,22.75 -25.2,21.05 v1(-25.2,3.2) -25.2,-5.55 ; v1(38.65,21.1) 38.65,16.6 50,5.25 50,-1 48.25,-2.75 48.25,-5 45.25,-8 29.95,-8 19.2,-8 15.5,-8 13.5,-6 -10.5,-6 -14.25,-9.75 -21,-9.75 -25.2,-5.55
  GBL w0.254: U5.4@-27.75,8.2 -26.45,8.2 -26.125,7.875 C55.2@-25.3,7.875 -24.825,7.875 -24.5,8.2 -24.5,10.8 -24.175,11.125 R28.2@-23.75,11.125 ; C58.2@-14.95,24.25 U6.1@-13.6,24.25 -12.85,24.25 -12.5,24.6 -12.5,25.8 -12.85,26.15 U6.3@-13.6,26.15 ; D19.1@39.985,21.11 40.884,21.11 41.255,20.739 43.541,20.739 43.729,20.927 Q1.5@43.729,21.685
  GBL w0.381: C55.2@-25.3,7.875 -25.3,5.375 C54.1@-25.2,5.275 ; R21.2@16.25,-13.8 16.95,-13.8 17.15,-14 CAN1.4@18,-14 v1(18,-12.5) ; IC1.3@20.51,-5.975 20.5,-5.965 20.5,-4.5 20.675,-4.325 C46.2@20.675,-3.875 v1(20.675,-2.925) ; R22.2@27,-13.8 27.7,-13.8 27.9,-14 CAN2.4@28.75,-14 v1(28.75,-12.5) ; IC2.3@31.26,-5.975 31.25,-5.965 31.25,-4.5 31.425,-4.325 C47.2@31.425,-3.875 v1(31.425,-2.925) ; v1(38.65,21.1) 38.66,21.11 D19.1@39.985,21.11
  GBL w0.508: Q2.5@-30.3,-9.8 -29.05,-9.8 v1(-29,-9.75) ; v1(-25.2,3.2) C54.1@-25.2,5.275 ; v1(-15.25,22.75) -14.95,23.05 C58.2@-14.95,24.25
5V_LED: C1_WS1.2 C1_WS2.2 C2_WS1.2 C2_WS2.2 C3_WS1.2 C4_WS1.2 C5_WS1.2 C6_WS1.2 C7_WS1.2 C8_WS1.2 C9_WS1.2 C10_WS1.2 C11_WS1.2 C12_WS1.2 C13_WS1.2 C14_WS1.2 C15_WS1.2 C16_WS1.2 C17.1 C17_WS1.2 C18.1 C42.1 C44.1 D1_WS1.1 D1_WS2.1 D2_WS1.1 D2_WS2.1 D3_WS1.1 D4_WS1.1 D5_WS1.1 D6_WS1.1 D7_WS1.1 D8_WS1.1 D9_WS1.1 D10_WS1.1 D11_WS1.1 D12_WS1.1 D13_WS1.1 D14_WS1.1 D15_WS1.1 D16_WS1.1 D17_WS1.1 L1.2 U1.5 U3.4 | length 374
  GTL w0.254: C2_WS2.2@-51.05,-0.05 -51.05,3.55 -49.35,5.25 D2_WS2.1@-49.35,6.45 ; C2_WS2.2@-51,0 v1(-50.2,0) ; D1_WS1.1@-49.65,36.55 -49.65,37.75 -47.95,39.45 C1_WS1.2@-47.95,43.05 v1(-48.75,43.05) ; D2_WS1.1@-43.65,36.55 -43.65,37.75 -41.95,39.45 C2_WS1.2@-41.95,43.05 v1(-42.75,43.05) ; D3_WS1.1@-37.65,36.55 -37.65,37.75 -35.95,39.45 C3_WS1.2@-35.95,43.05 v1(-36.75,43.05) ; D4_WS1.1@-31.65,36.55 -31.65,37.75 -29.95,39.45 C4_WS1.2@-29.95,43.05 v1(-30.75,43.05) ; D5_WS1.1@-25.65,36.55 -25.65,37.75 -23.95,39.45 C5_WS1.2@-23.95,43.05 v1(-24.75,43.05) ; D6_WS1.1@-19.65,36.55 -19.65,37.75 -17.95,39.45 C6_WS1.2@-17.95,43.05 v1(-18.75,43.05) ; D7_WS1.1@-13.65,36.55 -13.65,37.75 -11.95,39.45 C7_WS1.2@-11.95,43.05 v1(-12.75,43.05) ; D8_WS1.1@-7.65,36.55 -7.65,37.75 -5.95,39.45 C8_WS1.2@-5.95,43.05 v1(-6.75,43.05) ; D9_WS1.1@-1.65,36.55 -1.65,37.75 0.05,39.45 C9_WS1.2@0.05,43.05 v1(-0.75,43.05) ; D10_WS1.1@4.35,36.55 4.35,37.75 6.05,39.45 C10_WS1.2@6.05,43.05 v1(5.25,43.05) ; D11_WS1.1@10.35,36.55 10.35,37.75 12.05,39.45 C11_WS1.2@12.05,43.05 v1(11.25,43.05) ; D12_WS1.1@16.35,36.55 16.35,37.75 18.05,39.45 C12_WS1.2@18.05,43.05 v1(17.25,43.05) ; D13_WS1.1@22.35,36.55 22.35,37.75 24.05,39.45 C13_WS1.2@24.05,43.05 v1(23.25,43.05) ; D14_WS1.1@28.35,36.55 28.35,37.75 30.05,39.45 C14_WS1.2@30.05,43.05 v1(29.25,43.05) ; D15_WS1.1@34.35,36.55 34.35,37.75 36.05,39.45 C15_WS1.2@36.05,43.05 v1(35.25,43.05) ; D16_WS1.1@40.35,36.55 40.35,37.75 42.05,39.45 C16_WS1.2@42.05,43.05 v1(41.25,43.05) ; D17_WS1.1@46.35,36.55 46.35,37.75 48.05,39.45 C17_WS1.2@48.05,43.05 v1(47.25,43.05) ; v1(51.75,-0.05) C1_WS2.2@50.95,-0.05 50.95,3.55 52.65,5.25 D1_WS2.1@52.65,6.45
  GL2 w1.27: v1(-50.2,0) -47.5,0 -45,2.5 -45,20 -47,22 -47,29 -47.75,29.75 -47.75,40.85 -47.15,41.45 ; v1(-48.75,43.05) -47.15,41.45 ; v1(-2,38.75) -2.35,39.1 -2.35,41.45 ; v1(47.25,43.05) 45.65,41.45 ; v1(51.75,-0.05) 51.75,7.062 44.5,14.312 44.5,19.5 43.25,20.75 43.25,23.25 44.225,24.225 v1(44.825,24.225) v1(46.325,24.225) 46.825,24.225 47.325,24.725 47.325,39.775 45.65,41.45 ; -47.15,41.45 -44.35,41.45 v1(-42.75,43.05) -41.15,41.45 -38.35,41.45 v1(-36.75,43.05) -35.15,41.45 -32.35,41.45 v1(-30.75,43.05) -29.15,41.45 -26.35,41.45 v1(-24.75,43.05) -23.15,41.45 -20.35,41.45 v1(-18.75,43.05) -17.15,41.45 -14.35,41.45 v1(-12.75,43.05) -11.15,41.45 -8.35,41.45 v1(-6.75,43.05) -5.15,41.45 -2.35,41.45 ; -2.35,41.45 v1(-0.75,43.05) 0.85,41.45 3.65,41.45 v1(5.25,43.05) 6.85,41.45 9.65,41.45 v1(11.25,43.05) 12.85,41.45 15.65,41.45 v1(17.25,43.05) 18.85,41.45 21.65,41.45 v1(23.25,43.05) 24.85,41.45 27.65,41.45 v1(29.25,43.05) 30.85,41.45 33.65,41.45 v1(35.25,43.05) 36.85,41.45 39.65,41.45 v1(41.25,43.05) 42.85,41.45 45.65,41.45
  GBL w0.381: C18.1@-5,35.55 C17.1@-3.5,35.55 -2.95,35.55 -2.8,35.7 U1.5@-1.95,35.7 -1.95,36.05 -1.7,36.3 L1.2@-1.7,37.25 -1.7,38.45 v1(-2,38.75)
12V: D20.2 D21.2 P_IN.1 P_IN.2 | length 8
  GBL w0.635: P_IN.1@-41.6,8.95 -40.525,8.95 -40.425,8.85 -40.425,7.875 -40.1,7.55 D20.2@-39.375,7.55 D21.2@-39.375,9.825 -40.1,9.825 -40.475,10.2 P_IN.2@-41.6,10.2
12V_PROT: C40.1 C41.1 C51.1 C52.2 D20.1 D21.1 D23.1 R30.2 RaceDAC.1 U3.2 U4.2 U5.19 | length 214.6
  GL2 w0.635: v1(-37,0.75) -36.15,1.6 v1(-36.15,6.5)
  GBL w0.254: v1(-37,0.75) R30.2@-35.75,0.75
  GBL w0.33: U5.19@-33.45,9.5 -31.975,9.5 -31.775,9.7 C52.2@-31.775,11.725
  GBL w0.508: v1(-37,0.75) -40.75,0.75 -43.75,-2.25 -43.75,-18.25 -42.5,-19.5 -25.75,-19.5 -22.75,-16.5 -21.25,-16.5 -20.75,-16 RaceDAC.1@-20.75,-14
  GBL w0.635: C51.1@-36.15,4.625 v1(-36.15,6.5) -36.15,11.975 D23.1@-36.275,12.1 -34.9,12.1 -34.525,11.725 C52.2@-31.775,11.725
  GBL w0.762: C41.1@-47.2,26.525 -41.85,26.525 U4.2@-41.825,26.5 ; U3.2@41.825,29.925 41.85,29.9 C40.1@47.2,29.9
  GBL w1.016: C41.1@-47.2,26.525 -47.2,21.75 -45.925,20.475 -34.975,20.475 -31.775,17.275 ; C52.2@-31.775,11.725 -31.775,17.275 ; C40.1@47.2,29.9 47.2,35.1 42.1,40.2 -19.3,40.2 -25.6,33.9 -25.6,23.45 -31.775,17.275
CAN1_RX: IC1.4 U2.61 | length 31.5
  GBL w0.254: U2.61@5.55,17.75 7.35,17.75 9.2,15.9 9.2,14.8 21.78,2.22 IC1.4@21.78,-5.975
CAN1_TX: IC1.1 U2.62 | length 29.4
  GBL w0.254: U2.62@5.55,17.25 7.25,17.25 8.6,15.9 8.6,14.8 16.6,6.8 17.97,5.43 IC1.1@17.97,-5.975
CAN2_RX: IC2.4 U2.57 | length 46
  GTL w0.254: v1(3,20.5) 5,20.5 9.5,16 11,16 11.2,15.8 v1(11.2,15.7)
  GBL w0.254: v1(3,20.5) 3,19.9 3.15,19.75 U2.57@5.55,19.75 ; v1(11.2,15.7) 12.1,14.8 12.1,14.1 28.1,-1.9 31.6,-1.9 32.53,-2.83 IC2.4@32.53,-5.975
CAN2_TX: IC2.1 U2.58 | length 43.3
  GTL w0.254: v1(1.6,19) 5.4,19 9.1,15.3 10.1,15.3 10.9,14.5 v1(11.3,14.5)
  GBL w0.254: v1(1.6,19) 2.2,19 2.45,19.25 U2.58@5.55,19.25 ; v1(11.3,14.5) 11.3,14.1 28.72,-3.32 IC2.1@28.72,-5.975
CAN_E\N\: IC1.8 IC2.8 R21.1 R22.1 U2.59 | length 73.6
  GBL w0.254: U2.59@5.55,18.75 7.05,18.75 9.8,16 9.8,14.9 25.2,-0.5 25.2,-11.4 ; R21.1@16.25,-12.3 15,-12.3 14.4,-12.9 14.4,-18.9 14.6,-19.1 24.7,-19.1 25.2,-18.6 25.2,-11.4 ; R22.1@27,-12.3 26.1,-12.3 25.2,-11.4
  GBL w0.381: R21.1@16.25,-12.3 16.95,-12.3 17.25,-12 17.25,-11 17.475,-10.775 IC1.8@17.97,-10.775 ; R22.1@27,-12.3 27.7,-12.3 28,-12 28,-11 28.225,-10.775 IC2.8@28.72,-10.775
DOG_VDD: DISP.30 DISP.35 Q4.1 | length 23.2
  GBL w0.508: Q4.1@-2.22,-24.2 -2.22,-25.212 -2.032,-25.4 -1.524,-25.4 -1.27,-25.654 DISP.30@-1.27,-31.75 -1.27,-32.766 -1.016,-33.02 11.176,-33.02 11.43,-32.766 DISP.35@11.43,-31.75
ENABLE_MAIN: D25.3 R27.2 U5.15 | length 27.3
  GBL w0.254: U5.15@-33.45,6.9 -34.575,6.9 -34.9,6.575 -34.9,3 -35.225,2.675 -37.5,2.675 -37.825,3 -37.825,12.75 -37.5,13.075 -34.25,13.075 -33.925,13.4 -33.925,14.375 -33.825,14.475 -33.275,14.475 -33,14.75 R27.2@-33,15.25
  GBL w0.381: D25.3@-34.275,16.65 -33.275,16.65 -33,16.375 R27.2@-33,15.25